# Allegro board IMX7D EVK BOARD REV D_160314.brd (continued)
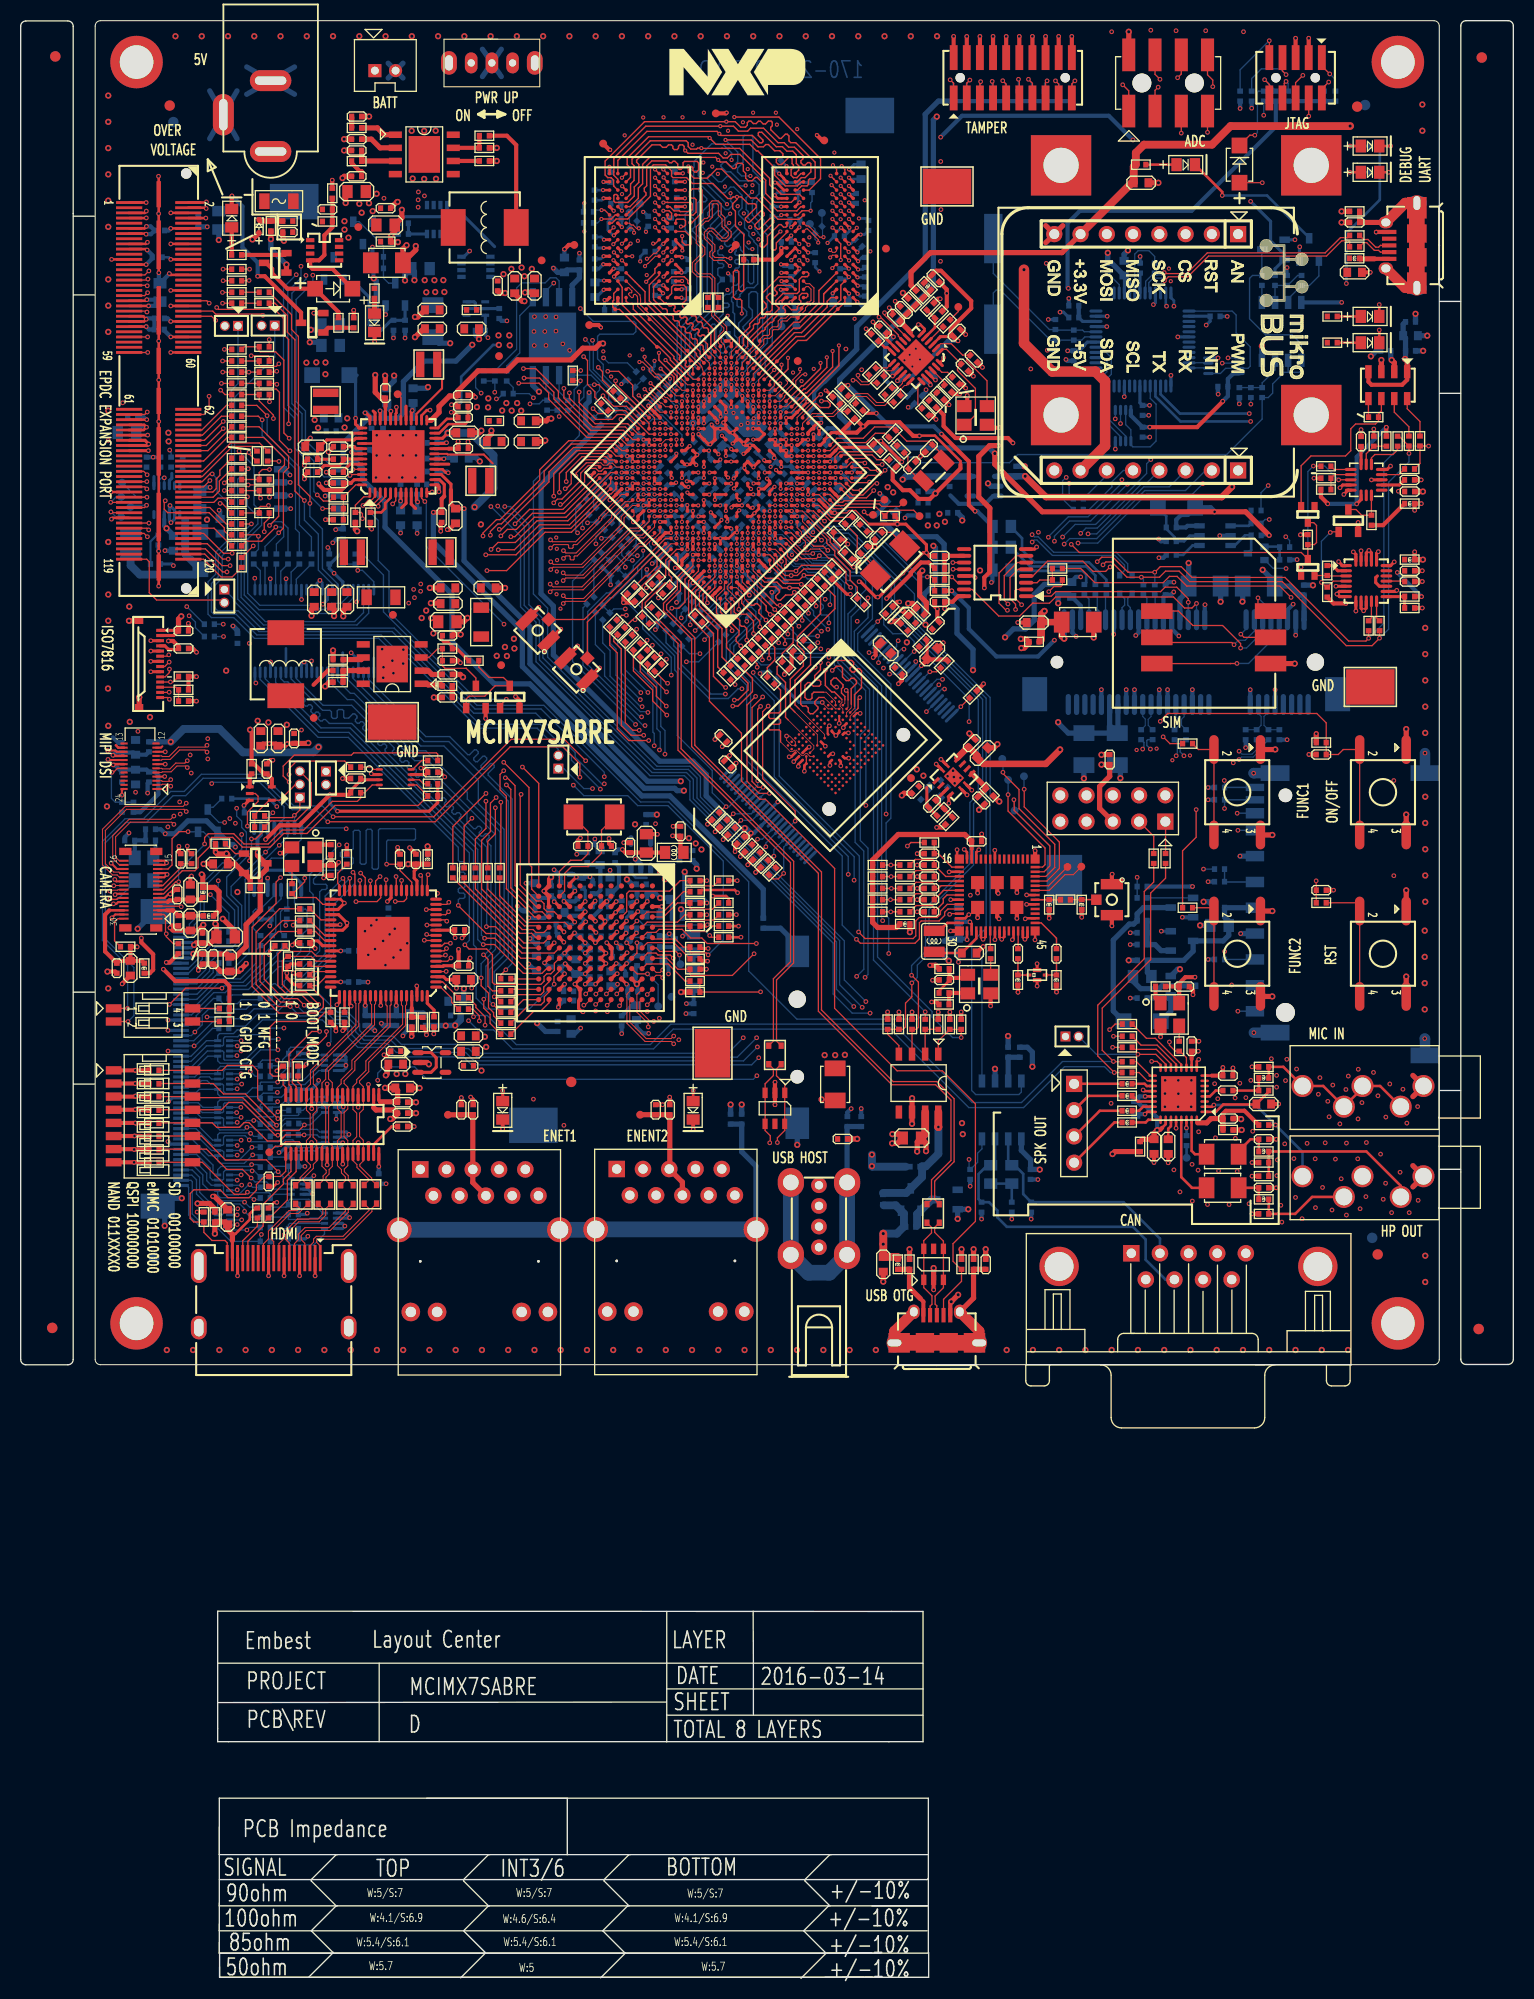
[diagram p0: board, top side]
## Copper pours and planes (outline as drawn; the poured copper is in the pictures) (continued)
PMIC_PWR on L4_PWR_1: 38.62,161.77 39.05,161.33 49.55,161.33 52.62,164.41 52.62,171.44 62.86,181.68 76.73,181.68 83.56,174.85 83.56,165.9 84.47,164.99 101.54,164.99 110.72,155.81 110.72,146.83 110.7,146.81 110.7,135.04 98.85,123.19 98.85,119.86 103.92,114.78 103.92,108 102.26,106.34 95.39,106.34 88.89,99.85 88.89,97.09 89.47,96.5 103.13,96.5 107.08,100.45 120.5,100.45 121.47,101.42 121.47,174.39 109.22,186.64 54.11,186.64 50.59,183.11 43.2,183.11 41.52,181.43 41.52,168.03 38.62,165.13
PMU_3V3_LX on TOP: 41.16,174.81 41.16,173.45 39.51,171.8 39.51,167.19 40.12,166.58 43.9,166.58 44.77,167.45 44.77,173.69 43.6,174.86 41.2,174.86
PSU_5V0 on TOP: 41.02,129.52 41.02,132.13 40.86,132.3 39.7,132.3 39.43,132.57 38.67,132.57 38.04,131.94 38.04,128.66 38.14,128.57 39.66,128.57 40.35,129.25 40.75,129.25
PSU_5V0 on TOP: 34,163.39 34.84,163.39 35,163.54 35,171.81 36.98,173.79 36.98,174.94 36.92,175 32.9,175 32.62,174.72 32.62,172.33 31.81,171.52 31.81,170.33 30.03,168.55 30.03,166.17 31.43,164.77 32.62,164.77
PSU_5V0 on BOTTOM: 18.03,170.06 18.02,170.05 11.95,170.05 11.64,170.35 11.64,172.05 11.97,172.38 19.42,172.38 19.93,171.88 19.93,170.53 19.77,170.38 18.53,170.38 18.21,170.06
PSU_5V0 on BOTTOM: 34,169.08 35.41,169.08 35.73,169.41 35.73,172.8 35.44,173.09 32.91,173.09 32.38,172.57 32.38,170.71
PSU_5V0 on L4_PWR_1: 27.05,133.03 23.98,136.1 23.98,155.33 32.31,163.65 32.31,166.5 36.32,170.51 36.32,172.95 35.65,173.62 26.74,173.62 25.22,172.1 17.26,172.1 13.5,168.35 13.5,158.49 11.44,156.43 11.44,104.06 12.1,103.4 12.1,97.73 12.94,96.9 20.69,96.9 24.88,101.09 24.88,112.04 24.01,112.91 24.01,113.85 26.45,116.29 27.66,116.29 40.98,129.61 40.98,132.71 40.66,133.03
PSU_5V0 on L5_PWR_2: 15.4,86.89 84.94,86.89 91.79,80.04 99.89,80.04 101.19,78.74 105.79,78.74 106.48,79.43 106.48,85.11 103.68,87.91 99.19,87.91 95.31,91.79 46.03,91.79 43.26,94.56 31.14,94.56 27.21,98.49 27.21,102.67 26.79,103.09 14.11,103.09 13.46,102.44 13.46,88.83
SAVDD_ENET on L3_INT_1: 52.98,106.74 52.98,103.98 54.2,102.77 58.02,102.77 58.33,103.08 62.76,103.08 63.41,103.73 63.41,104.89 61.16,107.14 53.39,107.14
SW1A_1V1 on TOP: 31.71,136.49 31.71,139.43 31.51,139.63 28.52,139.63 27.86,138.96 27.86,133.67 27.99,133.53 32.07,133.53 32.82,132.78 34.39,132.78 34.44,132.83 34.44,135.51 34.26,135.69 32.51,135.69
SW1ALX on TOP: 33.83,139.69 33.93,139.79 34.15,139.92 34.27,140.13 36.62,142.48 36.64,142.49 36.66,142.49 36.8,142.49 36.93,142.54 37.01,142.54 37.07,142.5 37.14,142.42 37.14,140.18 37.09,140.09 36.98,140.1 36.36,139.8 36.98,139.5 37.09,139.51 37.14,139.42 37.14,136.72 36.74,136.32 32.88,136.32 32.37,136.82 32.37,139.31 32.75,139.69
SW1B_1V0 on TOP: 43.8,131.85 45.58,131.85 45.73,131.99 45.73,133.15 44.92,133.95 44.92,135.29 44.1,136.11 44.1,139.01 43.77,139.34 41.18,139.34 41.06,139.21 41.06,136.44 41.68,135.82 41.68,132.4 41.97,132.11 43.53,132.11
SW1BLX on TOP: 37.68,143.71 37.67,143.82 37.62,143.92 37.62,143.93 37.62,144.01 37.65,144.05 37.7,144.04 37.88,143.86 37.89,143.84 37.87,143.77 37.87,143.71 37.87,142.76 38.11,142.52 38.19,142.46 38.28,142.42 38.29,142.42 40.29,140.42 40.29,136.26 39.94,135.92 38.15,135.92 37.68,136.38
SW2_1V8 on TOP: 46.21,147.54 44.89,146.22 44.89,143.48 43.78,142.36 43.78,140.56 44.08,140.25 44.67,140.25 45.89,141.47 46.21,141.47 48.83,144.09 48.83,152.45 48.6,152.69 46.46,152.69 46.21,152.43
SW2_1V8 on BOTTOM: 87.63,142.96 87.63,141.03 87.34,140.73 87.34,140.15 87.49,140 89.26,140 89.74,140.48 89.74,142.36 89.85,142.48 90.34,142.48 90.7,142.83 90.7,144.28 90.61,144.37 89.42,144.37 88.16,143.11 87.79,143.11
SW2_1V8 on L5_PWR_2: 40.05,145.71 40.63,145.13 45.66,145.13 53.82,153.29 53.82,153.3 54.73,154.21 54.73,176.99 58.46,180.72 77.43,180.72 83.63,174.51 83.63,151.01 86.84,147.8 86.84,144.65 81.16,138.97 81.16,134.21 83.71,131.66 85.81,131.66 89.29,135.15 89.29,136.85 89.95,137.51 91.91,137.51 93.02,138.62 93.02,175.9 83.35,185.57 54.82,185.57 44.47,175.21 44.47,156.01 46.08,154.4 46.08,150.2 43.86,147.97 40.7,147.97 40.05,147.32
SW2LX on TOP: 41.51,145.2 41.51,145.25 41.52,145.28 41.54,145.29 41.73,145.57 41.62,145.9 41.51,146.01 41.29,146.01 40.97,146.34 40.03,146.34 39.96,146.34 39.94,146.34 39.86,146.42 39.86,146.46 39.9,146.53 39.98,146.56 40.03,146.55 41.09,146.55 41.17,146.63 41.18,146.63 41.29,146.73 43.58,146.73 44.18,146.13 44.18,143.53 44.03,143.38 42.35,143.38 42.17,143.56 42.17,144.54
SW3_1V35 on TOP: 40.54,162.23 40.03,161.71 40.03,158.22 39.81,158.01 39.81,154.68 40.02,154.47 42.3,154.47 43.35,155.52 43.35,161.98 43.11,162.23
SW3LX on TOP: 38.03,152.04 38,152.04 37.74,152.03 37.54,151.87 37.37,151.7 37.37,150.74 37.35,150.73 37.27,150.73 37.09,150.91 37.09,151.26 37.09,153.05 37.09,153.05 37.09,153.93 36.72,154.3 36.72,157.81 36.92,158.01 38.9,158.01 39.13,157.78 39.13,154.68 38.88,154.43 38.88,152.76 38.18,152.06 38.06,152.06
SWBSTLX on TOP: 34.67,152.05 34.66,152.02 34.64,152 34.41,151.82 34.36,151.54 34.36,151.43 34.37,151.42 34.37,150.7 34.34,150.63 34.27,150.59 34.24,150.59 34.19,150.65 34.18,150.67 34.18,150.71 34.18,151.2 34.16,151.22 34.16,151.23 33.56,151.82 33.55,151.84 33.31,151.84 33.26,151.83 33.2,151.82 32.1,151.82 31.12,152.81 27.55,152.81 27.29,153.07 27.29,157.28 27.54,157.53 32.22,157.53 33.67,156.08 33.67,153.2 34.67,152.19
SWBSTLX on BOTTOM: 27.05,152.76 29.05,152.76 29.05,152.76 29.45,152.76 29.77,153.08 29.77,156.46 29.32,156.91 27.04,156.91 26.96,156.84 26.96,152.85
SYS_5V on BOTTOM: 32.23,165.65 33.47,166.89 33.47,168.66 32.34,169.79 32.33,169.79 31.85,170.28 29.58,170.28 29.12,169.82 29.12,166.24 29.7,165.65
SYS_5V on L5_PWR_2: 32.31,172.95 32.31,167.82 32.16,167.67 19.22,167.67 14.18,172.71 11.96,172.71 11.23,171.98 11.23,164.82 20.67,155.37 20.67,155.37 21.12,154.92 21.12,151.12 20.77,150.77 14.08,150.77 13.47,150.16 13.47,103.75 12.52,102.8 12.52,88.42 14.61,86.33 84.39,86.33 89.64,81.08 89.64,79.44 88.9,78.7 88.02,78.7 88.01,78.69 82.72,78.69 80.89,80.53 35.15,80.53 28.89,74.27 12.63,74.27 8.19,78.71 8.19,176.09 9.51,177.41 17.87,177.41 21.6,173.69 31.57,173.69
USB_HOST_VBUS on TOP: 76.51,79.37 76.89,78.99 80.89,78.99 81.62,78.25 81.62,75.3 78.12,71.8 76.72,71.8 76.36,71.44 76.36,67.33 76.97,66.72 81.52,66.72 82.16,67.35 82.16,72.21 84.34,74.39 84.34,78.96 82.76,80.54 79.25,80.54 79.25,82.11 79.46,82.32 84.71,82.32 85.3,82.91 85.3,84.74 84.27,85.77 77.17,85.77 76.51,85.11
VLDO3_3V3 on L4_PWR_1: 42.75,146.45 62.41,146.45 63.66,147.7 67.29,147.7 71.25,143.73 72.53,143.73 73.14,144.34 73.14,144.9 75.5,147.26 83.79,147.26 87.26,143.79 94.04,143.79 98.92,138.91 98.92,127.55 99.66,126.82 101.31,126.82 109.97,135.48 109.97,155.86 101.6,164.23 85.15,164.23 83.55,162.63 83.55,159.91 73.2,149.56 71.93,149.56 68.78,152.72 67.72,152.72 65.47,150.47 42.07,150.47 41.76,150.17 41.76,147.44
N21079430 on BOTTOM: 11.67,144.85 12.18,144.34 12.61,144.34 12.99,144.72 12.99,145.15 13.35,145.51 14.16,145.51 14.44,145.23 15.4,145.23 16.06,145.89 16.06,146.4 15.99,146.48 12.03,146.48 11.67,146.12
N21089701 on BOTTOM: 9.69,140.25 9.69,139.16 9.77,139.08 11.82,139.08 12.05,139.31 12.05,139.97 12.89,140.81 12.89,141.93 11.49,141.93 11.29,141.73 11.29,140.81 10.73,140.25
N21089723 on BOTTOM: 15.33,140.35 16.32,140.35 16.32,144.8 16.27,144.85 15.45,144.85 15.33,144.72
GND on L2_GND_1: 7.89,59.99 7.86,60 7.84,60.04 7.84,188.67 7.86,188.7 7.89,188.72 136.52,188.72 136.56,188.7 136.57,188.67 136.57,60.04 136.56,60 136.52,59.99
GND on L7_GND_2: 7.89,59.99 7.86,60 7.84,60.04 7.84,188.67 7.86,188.7 7.89,188.72 136.52,188.72 136.56,188.7 136.57,188.67 136.57,89.66 136.56,89.66 136.57,89.65 136.57,60.04 136.56,60 136.52,59.99

## Text on the board
BOTTOM: 170-28590 REVD
Ref Des/Silkscreen Bottom: GND | NAND | LCD | SD1 BOOT | mPCIE | MCIMX7SABRE
User.Comments: L2_GND_1 | L3_INT_1 | L4_PWR_1 | L5_PWR_2 | L6_INT_2 | L7_GND_2 | BOTTOM | MASK | TOP | 8 LAYER CROSS SECTION BUILD | PREPREG | ROUTING | PLANE
Board Geometry/Outline: W:5.4/S:6.1 | W:5/S:7 | W:5.7 | W:4.1/S:6.9 | W:4.6/S:6.4 | W:5 | SIGNAL | 100ohm | 50ohm | 90ohm | 85ohm | PCB Impedance | Embest | Layout Center | TOP | D | MCIMX7SABRE | INT3/6 | BOTTOM | LAYER | SHEET | TOTAL 8 LAYERS | DATE | 2016-03-14 | +/-10% | PROJECT | PCB\REV
Ref Des/Silkscreen Top: -------- | VOLTAGE | OVER | 5V | HDMI | BATT | GND | ON | PWR UP | OFF | ENET1 | ENENT2 | USB HOST | USB OTG | TAMPER | CAN | SIM | ADC | JTAG | MIC IN | HP OUT | SPK OUT | FUNC2 | FUNC1 | RST | ON/OFF | DEBUG | UART | EPDC EXPANSION PORT | MIPI DSI | CAMERA | ISO7816 | NAND 011XXXX0 | QSPI 10000000 | eMMC 01010000 | SD   00100000 | 1 0 GPIO CFG | 0 1 MFG | 1 0 | BOOT_MODE | MCIMX7SABRE
DIMENSION: FIGURE | SIZE | 8.0 | 10.0 | 12.0 | 28.0 | 30.0 | 31.902 | 36.0 | 38.0 | 40.0 | 59.799 | 64.0 | 67.0 | 110.0 | 126.0 | 128.0 | 48.0 | 52.0 | 66.0 | 72.0 | 35.0x30.0 | 53.0x26.0 | 58.0x30.0 | 67.0x36.0 | 106.0x36.0 | 120.0x32.0 | DRILL CHART: TOP to BOTTOM | ALL UNITS ARE IN MILS | TOLERANCE | +0.0/-0.0 | +2.988/-2.988 | PLATED | NON-PLATED | QTY | 626 | 1560 | 420 | 3 | 15 | 1 | 4 | 29 | 30 | 8 | 10 | 2
